# Altium PCB F103RCT6.PcbDoc (part 1 of 2)
Units mil, origin at the board's own origin, x right, y up, seen from the top; angles counter-clockwise.
Board outline 3156.04 x 3159.04 mil, 2 copper layers (Top Layer, Bottom Layer); 126 components, 98 nets, 417 pads, 159 vias.
Unrouted connection lines stored in the file: 77.
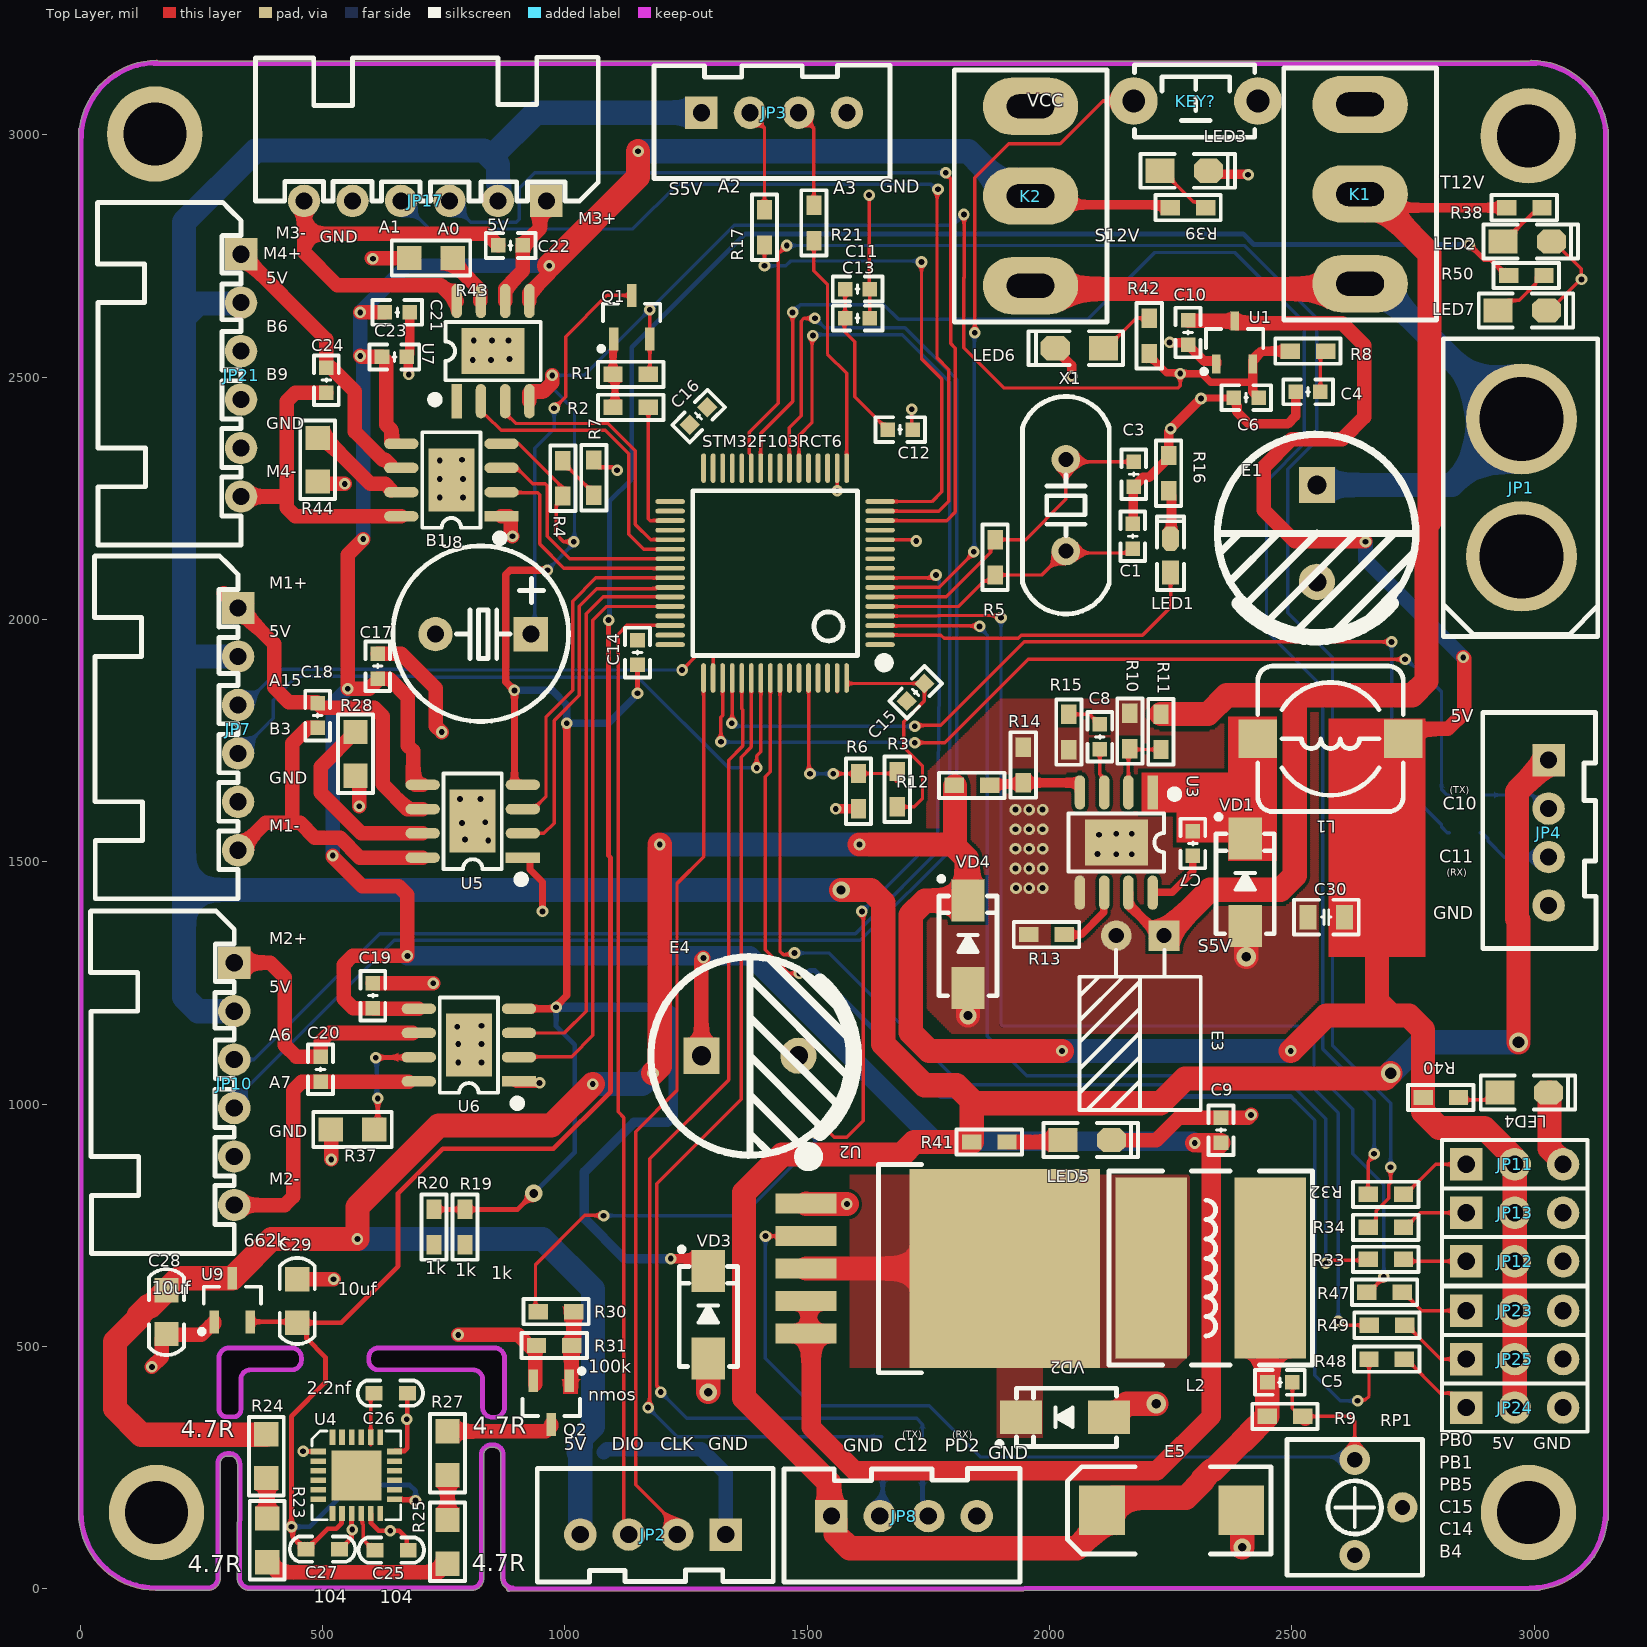
[diagram p0: Top Layer view]
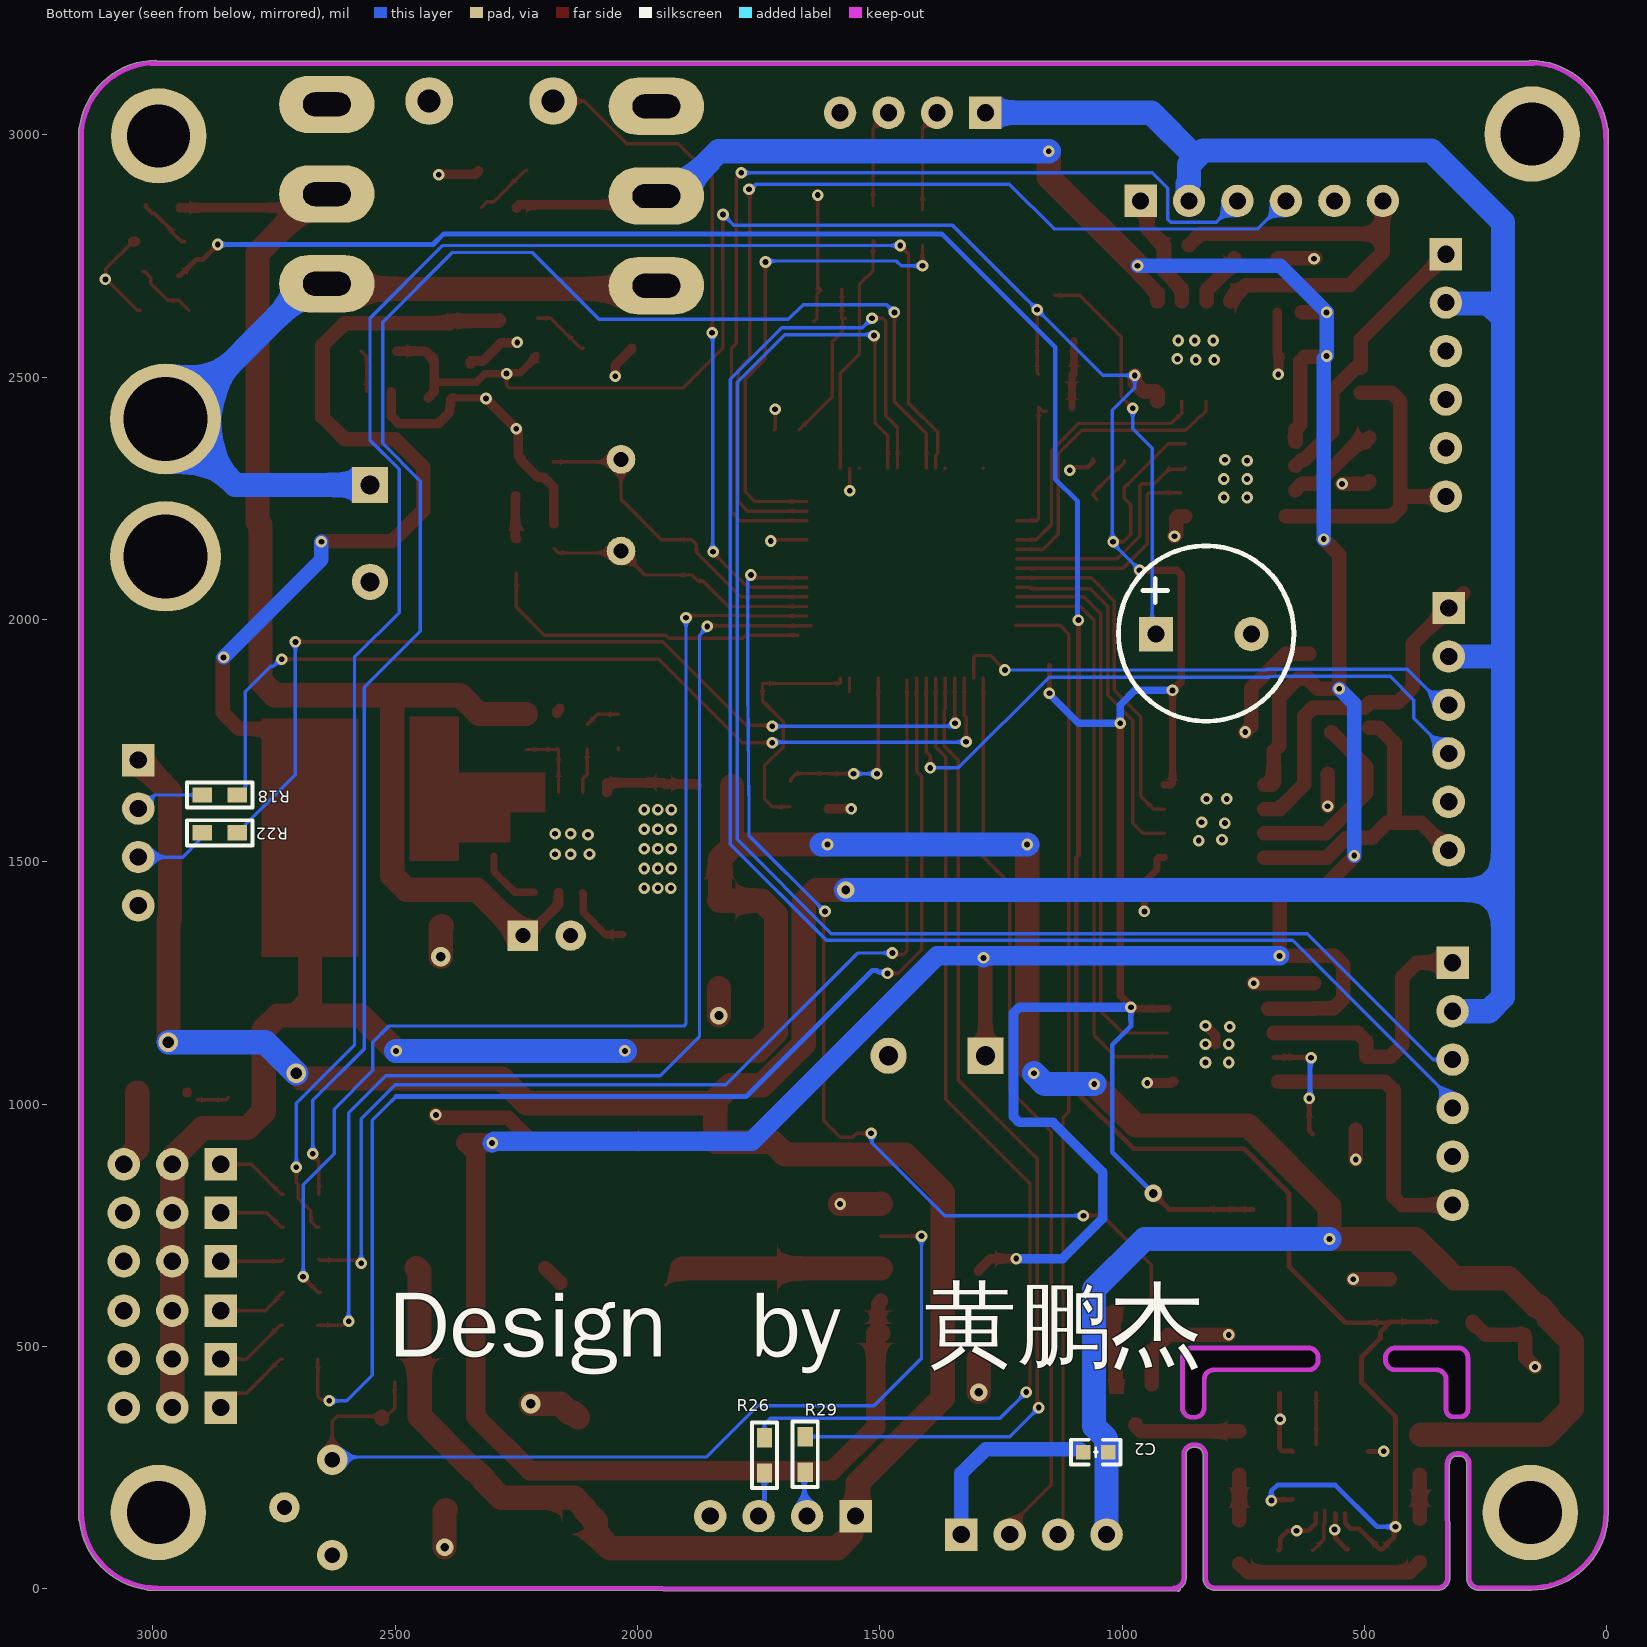
[diagram p1: Bottom Layer view, seen from below]

## Layer stack, top to bottom
Top Solder: solder mask 0.4, Solder Resist, Dk 3.5
Top Layer: signal copper 1.4
Dielectric 1: dielectric 12.6, FR-4, Dk 4.8
Bottom Layer: signal copper 1.4
Bottom Solder: solder mask 0.4, Solder Resist, Dk 3.5

## Board outline
155.95,-3.01 264.01,-3.02 ccw(c264.01,22) 289.02,22 289.01,22.28 289.01,258 289.01,259 cw(c304,259) 304,273.98 309,273.99 cw(c309,259) 323.99,259 324.98,256.01 323.99,22.02 323.99,22 ccw(c349,22) 349,-3.02 808,-3.02 ccw(c808,22) 833.01,22 833.01,22.28 833.01,277 cw(c847.99,277) 847.99,291.98 852.99,291.98 cw(c852.99,277) 867.98,277 867.98,22 ccw(c892.99,22) 880.02,0.61 ccw(c884.99,-0.01) 885,-5.02 3010,-3.02 3013.59,-1.5 ccw(c2991.53,157.48) 3150.87,138.19 3152.62,142 3152.62,2991.02 3153.02,2993.53 ccw(c2992.6,2993.53) 3152.62,3004.86 3152.62,3012 3151.57,3015.07 ccw(c2992.52,2993.53) 2994.05,3154.02 2990.52,3152.62 161.63,3152.62 158.47,3153.75 ccw(c157.91,2993.25) -0.97,3016.04 -3.02,3012 -3.02,158.27 -3.02,158.05 ccw(c157.48,157.48)
cut-out: 302.07,355 cw(c302.07,370.5) 286.57,370.5 286.5,477 cw(c306.5,477) 306.5,497 436.5,497 cw(c436.5,477) 456.5,477 456.5,472 cw(c436.5,472) 436.5,452 351.5,452 ccw(c351.5,432) 331.5,432 331.5,369.42 cw(c317.08,369.42) 317.08,355
cut-out: 615.49,452 cw(c615.49,472) 595.49,472 595.49,477 cw(c615.49,477) 615.49,497 855.49,497 cw(c855.49,477) 875.49,477 875.49,374 cw(c855.49,374) 855.49,354 850.49,354 cw(c850.49,374) 830.49,374 830.49,432 ccw(c810.49,432) 810.49,452

## Design rules (kind name [scope] priority, off if disabled: settings)
Clearance [All] p1: gap=7 ignorepadtopadclearanceinfootprint=TRUE except(0: Arc-Hole Track-Hole SMDPad-Hole THPad-Hole Via-Hole Fill-Hole Poly-Hole Region-Hole Text-Hole)
ComponentClearance [All] p1: gap=0 collisioncheckmode=3 verticalgap=0 showdistances=FALSE
HoleSize [All] p1: absolutevalues=TRUE maxlimit=200 minlimit=1 maxpercent=80.000 minpercent=20.000
MinimumSolderMaskSliver [All] p1: minsoldermaskwidth=0
PolygonConnect PolygonConnect_1 [All] p1: thpad.connectstyle=Relief thpad.reliefconductorwidth=10 thpad.reliefentries=4 thpad.polygonreliefangle="90 Angle" thpad.airgapwidth=10 smdpad.connectstyle=Relief smdpad.reliefconductorwidth=10 smdpad.reliefentries=4 smdpad.polygonreliefangle="90 Angle" smdpad.airgapwidth=10 via.connectstyle=Direct via.reliefconductorwidth=10 via.reliefentries=4 via.polygonreliefangle="90 Angle" via.airgapwidth=10
RoutingVias [All] p1: holewidth=12 width=24 viastyle="Through Hole" minholewidth=10 minwidth=20 maxholewidth=36 maxwidth=72
SilkToSilkClearance [All] p1: silktosilkclearance=0
SilkToSolderMaskClearance [IsPad] p1: minsilkscreentomaskgap=0 clearancetoexposedcopper=TRUE
SolderMaskExpansion [All] p1: expansion=4 istentingtop=FALSE
UnRoutedNet [All] p1: checkbadconnections=TRUE
Width [All] p1: maxlimit=50 minlimit=7 preferedwidth=30 minimp=50.000000 maximp=50.000000 favimp=50.000000
24 further rules are at their usual default settings.

## Classes and differential pairs
net class PWR: 3.3V_IMU 5V 12V GND S5V S12V T12V VCC

## Components (designator, comment, footprint, x,y, rotation, side; value= is the part's Value field where it differs from the comment)
B1 "DC3.3V" "BEEP 5x9x5.5" 831.57,1970 r90 top
C1 "22" "C 0603_L" 2172,2172 r90 top
C2 "104" "C 0603_L" 1054.41,282 r0 bottom
C3 "22" "C 0603_L" 2174,2300 r270 top
C4 "104" "C 0603_L" 2533.59,2470 r180 top
C5 "33nF" "C 0603_L" 2475.59,426 r180 top
C6 "105" "C 0603_L" 2406,2458 r0 top
C7 "104" "C 0603_L" 2296,1538 r270 top
C8 "150pF" "C 0603_L" 2104,1758 r270 top
C9 "1uF" "C 0603_L" 2354,946.41 r270 top
C10 "105" "C 0603_L" 2286,2592.41 r90 top
C11 "104" "C 0603_L" 1604,2682 r0 top
C12 "104" "C 0603_L" 1692,2392 r0 top
C13 "104" "C 0603_L" 1604,2622 r0 top
C14 "104" "C 0603_L" 1150,1932 r90 top
C15 "104" "C 0603_L" 1724,1850 r225 top
C16 "104" "C 0603_L" 1276,2420 r45 top
C17 "104" "C 0603_L" 614,1904 r270 top
C18 "104" "C 0603_L" 490,1802 r90 top
C19 "104" "C 0603_L" 604,1224 r270 top
C20 "104" "C 0603_L" 496,1072 r90 top
C21 "104" "C 0603_L" 654.41,2634 r180 top
C22 "104" "C 0603_L" 888,2772 r0 top
C23 "104" "C 0603_L" 648.41,2542 r180 top
C24 "104" "C 0603_L" 508,2494 r90 top
C25 "104" "C 0603" 642,80 r180 top
C26 "2.2nF" "C 0603" 640,404 r180 top
C27 "104" "C 0603" 500,82 r180 top
C28 "10uF" "C 0805" 178,571 r90 top
C29 "10uF" "C 0805" 448,594 r270 top
C30 "C" "C 0805_L" 2571.4,1386 r0 top value=22uf
E1 "3000uf" "CAP 5.0*10*20" 2552,2178 r270 top
E3 "10UF/16V" "CAP 2.5*6.3*7-H" 2187.21,1348 r180 top
E4 "470uF25V" "CAP 5.0*10*20" 1382,1100 r0 top
E5 "220uF" "CD D(7343)" 2252,162 r0 top
JP1 "HDR-1X2" XT60 2974,2130.54 r90 top
JP2 "HDR-1X4" XH2.54-LI-4P 1182,112 r180 top
JP3 "HDR-1X4" XH2.54-4P 1282,3046 r0 top
JP4 "HDR-1X4" XH2.54-4P 3030,1710 r270 top
JP7 "HDR-1X6" XH2.54-6P_H 326,2024 r270 top
JP8 "HDR-1X4" XH2.54-4P 1550,150 r0 top
JP10 "HDR-1X6" XH2.54-6P_H 318,1292 r270 top
JP11 "HDR-1X3" HDR-1X3 2860,876 r0 top
JP12 "HDR-1X3" HDR-1X3 2860,676 r0 top
JP13 "HDR-1X3" HDR-1X3 2860,776 r0 top
JP17 "HDR-1X6" XH2.54-6P_H 962,2864 r180 top
JP21 "HDR-1X6" XH2.54-6P_H 332,2754 r270 top
JP23 "HDR-1X3" HDR-1X3 2860,574 r0 top
JP24 "HDR-1X3" HDR-1X3 2860,374 r0 top
JP25 "HDR-1X3" HDR-1X3 2860,474 r0 top
K1 "开关" 开关 2646,2878 r90 top
K2 "开关" 开关 1966,2874 r90 top
KEY? "KEY_M" "TSW DIP-3*6*4.3" 2302.05,3070 r0 top
L1 "33uH" CDRH74 2580,1754 r180 top
L2 "15uH" CD104 2332.97,662 r0 top
LED1 "红色" "LED 0603B" 2250,2132 r90 top
LED2 "黄色" "LED 0805R" 2986,2780 r0 top
LED3 "黄色" "LED 0805R" 2278,2926 r0 top
LED4 "黄色" "LED 0805R" 2980,1024 r0 top
LED5 "黄色" "LED 0805R" 2078,926 r0 top
LED6 "黄色" "LED 0805R" 2062,2560 r180 top
LED7 "黄色" "LED 0805R" 2976,2638 r0 top
Q1 "SS8550" SOT23-3N 1138,2624 r0 top
Q2 "SI2302" SOT23-3N 972,384.5 r180 top
R1 "4.7K" "R 0603" 1136,2506 r0 top
R2 "1K" "R 0603" 1136,2438 r180 top
R3 "100K" "R 0603" 1686,1650 r270 top
R4 "100K" "R 0603" 996,2291.5 r270 top
R5 "1M" "R 0603" 1888,2128.5 r270 top
R6 "1K" "R 0603" 1606,1646 r90 top
R7 "1K" "R 0603" 1060,2292.76 r270 top
R8 "10K" "R 0603" 2533.5,2554 r180 top
R9 "10K" "R 0603" 2486,356 r180 top
R10 "100K" "R 0603" 2166,1770 r90 top
R11 "100K" "R 0603" 2230,1768.5 r270 top
R12 "43.2K" "R 0603" 1840,1658 r180 top
R13 "100K" "R 0603" 1994,1350 r0 top
R14 "8.2K" "R 0603" 1946,1700 r270 top
R15 "100K" "R 0603" 2040,1768 r90 top
R16 "2.2K" "R 0603" 2246,2302 r270 top
R17 "470R" "R 0603" 1412,2809.5 r90 top
R18 "470R" "R 0603" 2862,1638 r0 bottom
R19 "1k" "R 0603" 794,746.5 r270 top
R20 "1K" "R 0603" 730,746.5 r270 top
R21 "470R" "R 0603" 1514,2818.5 r90 top
R22 "470R" "R 0603" 2862,1560 r0 bottom
R23 "4.7R" "R 0805" 386,100 r90 top
R24 "4.7R" "R 0805" 384,274 r90 top
R25 "4.7R" "R 0805" 758,97 r90 top
R26 "470R" "R 0603" 1654,277.5 r270 bottom
R27 "4.7R" "R 0805" 758,280 r90 top
R28 "0.15R" "R 0805" 568,1723 r90 top
R29 "470R" "R 0603" 1738,275.5 r270 bottom
R30 "1K" "R 0603" 982,572 r0 top
R31 "100K" "R 0603" 978,502 r0 top
R32 "470R" "R 0603" 2694,814 r0 top
R33 "470R" "R 0603" 2694,680 r0 top
R34 "470R" "R 0603" 2694,746 r0 top
R37 "0.15R" "R 0805" 562,948 r0 top
R38 "10K" "R 0603" 2980,2850 r180 top
R39 "10K" "R 0603" 2286,2850 r180 top
R40 "4.7K" "R 0603" 2807.5,1014 r180 top
R41 "4.7K" "R 0603" 1876,922 r180 top
R42 "4.7K" "R 0603" 2206,2585.5 r270 top
R43 "0.15R" "R 0805" 724,2746 r0 top
R44 "0.15R" "R 0805" 490,2330 r90 top
R47 "470R" "R 0603" 2691.5,612 r0 top
R48 "470R" "R 0603" 2696,474 r0 top
R49 "470R" "R 0603" 2696.5,544 r0 top
R50 "4.7K" "R 0603" 2984,2710 r180 top
RP1 "10K" 3362P 2630,168 r270 top
STM32F103RCT6 "STM32F103rct6" "LQFP64 10x10_L" 1434,2096 r90 top
U1 "662K" SOT23-3L 2382,2572 r0 top
U2 "XL4005" TO263-5A 1498,660.93 r270 top
U3 "MP1584EN" "SOP8_N - duplicate" 2138,1540 r270 top
U4 "MPU6050" QFN24 570,234 r0 top
U5 "TB67H450" "SOP8_N - duplicate" 810,1584 r180 top
U6 "TB67H450" "SOP8_N - duplicate" 802,1122 r180 top
U7 "TB67H450" "SOP8_N - duplicate" 852,2554 r90 top
U8 "TB67H450" "SOP8_N - duplicate" 766,2288 r180 top
U9 "662K" SOT23-3N 314,596 r0 top
VD1 "SS34" SMA 2404,1458 r90 top
VD2 "SS54" SMA 2032,354 r180 top
VD3 "SMBJ3.3" SMA 1296,565.45 r90 top
VD4 "SMBJ5.0" SMA 1832,1330 r90 top
X1 "8M" "XTAL-49S DIP" 2034,2236 r270 top

## Footprints (in the part's own frame and the unit in brackets; to place one, negate y for a bottom-side part, rotate by r counter-clockwise, add the part's x,y. Pads: shape width x height; smd on the part's side, far side on the other; paste and mask are expansions set on the pad)
3362P [mm]
  round 1.6 hole 0.8: 1(-2.5,0) 2(0,2.5) 3(2.5,0)
  silkscreen extent -3.56,-3.56 3.56,3.56, body extent -3.3,-3.3 3.3,3.3, height 4.74
"BEEP 5x9x5.5" [mm] "5*9*5.5mm(脚距,直径,高度)"
  rect 1.8x1.8 hole 0.9: 1(0,-2.5)
  round 1.8 hole 0.9: 2(0,2.5)
  silkscreen extent -4.57,-4.47 4.62,4.73, body extent -4.5,-4.5 4.5,4.5, height 5.45
"C 0603" [mil] "无极性贴片电容"
  rect 35x30 smd: 1(-35,0) 2(34,0)
  silkscreen extent -67,-26 67,26, body extent -31,-16 31,16, height 32
"C 0603_L" [mil] "无极性贴片电容"
  rect 30x30 smd: 1(-25.59,0) 2(25.59,0)
  silkscreen extent -51,-26 51,26, body extent -31,-16 31,16, height 32
"C 0805" [mil] "无极性贴片电容"
  rect 50x50 smd: 1(-45,0) 2(45,0)
  silkscreen extent -89,-36 89,36, body extent -39,-24 39,24, height 20
"C 0805_L" [mil] "无极性贴片电容"
  rect 35x50 smd: 1(-37.4,0) 2(37.4,0)
  silkscreen extent -67,-36 67,36, body extent -39,-24 39,24, height 20
"CAP 2.5*6.3*7-H" [mm] "脚距2.5mm直径6.3mm高度7mm"
  rect 1.6x1.6 hole 0.8: 1(-1.25,0)
  round 1.6 hole 0.8: 2(1.25,0)
  silkscreen extent -3.18,0.76 3.17,9.14, body extent -3.15,-0.3 3.16,8.91, height 6.32
"CAP 5.0*10*20" [mm] "脚距5mm直径10mm高度20mm"
  rect 1.9x1.9 hole 1: 1(-2.54,0)
  round 1.9 hole 1: 2(2.54,0)
  silkscreen extent -5.19,-5.21 5.5,5.19, body extent -5,-5 5.01,5, height 20.03
CD104 [mm] "10*9*4mm（长宽高）"
  rect 3.75x9.5 smd: 1(-3.125,0) 2(3.125,0)
  silkscreen extent -5.33,-5.08 5.33,5.08, body extent -4.95,-4.5 4.95,4.5, height 4.7
"CD D(7343)" [mm] "长7.3mm，宽4.3mm，厚2.8mm"
  rect 2.4x2.6 smd: 1(-3.65,0) 2(3.65,0)
  silkscreen extent -5.46,-2.29 5.21,2.29, body extent -3.65,-2.15 3.65,2.15, height 2.8
CDRH74 [mm] "7.3*7.3*4.5mm（长宽高）"
  rect 2x2 smd: 1(-3.81,0) 2(3.81,0)
  silkscreen extent -3.81,-3.81 3.81,3.81, body extent -3.65,-3.65 3.65,3.65, height 4.5
HDR-1X3 [mm] "排针，3脚"
  rect 1.7x1.7 hole 0.9: 1(0,0)
  round 1.7 hole 0.9: 2(2.54,0) 3(5.08,0)
  silkscreen extent -1.27,-1.27 6.35,1.27, body extent -1.27,-1.27 6.35,1.27, height 8.5
"LED 0603B" [mil] "蓝色0603LED"
  rect 50x35 smd: 1(-35,0.26)
  oct 50x35 smd: 2(35,0.26)
  silkscreen extent -71,-28 81,28, body extent -31,-16 32,16, height 24
"LED 0805R" [mil] "红色0805LED"
  rect 60x50 smd: 1(-50,0)
  oct 60x50 smd: 2(50,0)
  silkscreen extent -90,-35 105,35, body extent -39,-25 39,25, height 32
"LQFP64 10x10_L" [mm] "64脚，体宽10x10mm，脚距0.5mm"
  oval 0.25x1.55 smd: 1(-3.75,-5.5) 2(-3.25,-5.5) 3(-2.75,-5.5) 4(-2.25,-5.5) 5(-1.75,-5.5) 6(-1.25,-5.5) 7(-0.75,-5.5) 8(-0.25,-5.5) 9(0.25,-5.5) 10(0.75,-5.5) 11(1.25,-5.5) 12(1.75,-5.5) 13(2.25,-5.5) 14(2.75,-5.5) 15(3.25,-5.5) 16(3.75,-5.5) 33(3.75,5.5) 34(3.25,5.5) 35(2.75,5.5) 36(2.25,5.5) 37(1.75,5.5) 38(1.25,5.5) 39(0.75,5.5) 40(0.25,5.5) 41(-0.25,5.5) 42(-0.75,5.5) 43(-1.25,5.5) 44(-1.75,5.5) 45(-2.25,5.5) 46(-2.75,5.5) 47(-3.25,5.5) 48(-3.75,5.5)
  oval 1.55x0.25 smd: 17(5.5,-3.75) 18(5.5,-3.25) 19(5.5,-2.75) 20(5.5,-2.25) 21(5.5,-1.75) 22(5.5,-1.25) 23(5.5,-0.75) 24(5.5,-0.25) 25(5.5,0.25) 26(5.5,0.75) 27(5.5,1.25) 28(5.5,1.75) 29(5.5,2.25) 30(5.5,2.75) 31(5.5,3.25) 32(5.5,3.75) 49(-5.499,3.75) 50(-5.499,3.25) 51(-5.499,2.75) 52(-5.499,2.25) 53(-5.499,1.75) 54(-5.499,1.25) 55(-5.499,0.75) 56(-5.499,0.25) 57(-5.499,-0.25) 58(-5.499,-0.75) 59(-5.499,-1.25) 60(-5.499,-1.75) 61(-5.499,-2.25) 62(-5.499,-2.75) 63(-5.499,-3.25) 64(-5.499,-3.75)
  silkscreen extent -4.95,-5.96 4.32,4.32, body extent -6,-6 6,6, height 1.45
QFN24 [mm]
  rect 0.8x0.3 smd: 1(-2,1.25) 2(-2,0.75) 3(-2,0.25) 4(-2,-0.25) 5(-2,-0.75) 6(-2,-1.25) 13(2,-1.25) 14(2,-0.75) 15(2,-0.25) 16(2,0.25) 17(2,0.75) 18(2,1.25)
  rect 0.3x0.8 smd: 7(-1.25,-2) 8(-0.75,-2) 9(-0.25,-2) 10(0.25,-2) 11(0.75,-2) 12(1.25,-2) 19(1.25,2) 20(0.75,2) 21(0.25,2) 22(-0.25,2) 23(-0.75,2) 24(-1.25,2)
  rect 2.6x2.6 smd: 25(0.005,0)
  silkscreen extent -2.32,-2.32 2.32,2.32, body extent -2,-2 2.01,2, height 0.9
"R 0603" [mil] "1/10W贴片电阻"
  rect 40x31.5 smd: 1(-36.5,0) 2(36.5,0)
  silkscreen extent -68,-26 68,26, body extent -31,-16 32,16, height 16
"R 0805" [mil] "1/8W贴片电阻"
  rect 50x50 smd: 1(-45,0) 2(45,0)
  silkscreen extent -81,-36 81,36, body extent -39,-25 39,25, height 20
SMA [mm] "4.5x2.6*2.2mm（长宽高，不包括引脚）"
  rect 2.2x1.75 smd: 1(-2.3,0) 2(2.3,0)
  silkscreen extent -2.7,-1.52 3.56,1.52, body extent -2.53,-1.3 2.58,1.3, height 2.15
"SOP8_N - duplicate" [mm]
  rect 1.8x0.55 smd: 1(-2.625,1.905)
  oval 1.8x0.55 smd: 2(-2.625,0.635) 3(-2.625,-0.635) 4(-2.625,-1.905) 5(2.625,-1.905) 6(2.625,-0.635) 7(2.625,0.635) 8(2.625,1.905)
  rect 2.413x3.302 smd: 9(0,0)
  silkscreen extent -2.69,-2.5 1.52,3.2, body extent -3,-2.5 3,2.5, height 1.9
SOT23-3L [mm] "3x1.3x1mm(长宽高)"
  rect 0.45x1 smd: 1(-0.95,-1.143) 2(0.95,-1.143) 3(0,1.125)
  silkscreen extent -1.72,-1.65 1.5,0.7, body extent -1.5,-1.2 1.5,1.2, height 1.05
SOT23-3N [mm] "3x1.3x1mm(长宽高)"
  rect 0.5x1.2 smd: 1(-0.95,-1.143) 2(0.95,-1.143) 3(0,1.143)
  silkscreen extent -1.72,-1.78 1.5,0.7, body extent -1.5,-1.2 1.5,1.2, height 1.05
TO263-5A [mm] "263，5脚晶体管"
  rect 1.05x3.2 smd: 1(-3.4,0) 2(-1.7,0) 3(0,0) 4(1.7,0) 5(3.4,0)
  rect 10.45x10 smd: 3(0,10.414)
  silkscreen extent -6.24,-0.25 5.46,6.04, body extent -5,-0.01 5,13.32, height 4.5
"TSW DIP-3*6*4.3" [mm] "3*6*4.3mm"
  round 2.5 hole 1.2: 1(3.25,0) 2(-3.25,0)
  silkscreen extent -3.21,-1.9 3.09,1.9, body extent -3.91,-1.75 3.91,1.75, height 4.31
XH2.54-4P [mm] "接插件，4P"
  rect 1.7x1.7 hole 0.9: 1(0,0)
  round 1.7 hole 0.9: 2(2.54,0) 3(5.08,0) 4(7.62,0)
  silkscreen extent -2.49,-3.45 9.88,2.49, body extent -2.5,-3.3 10.12,2.4, height 7.03
XH2.54-6P_H [mm] "接插件，6P"
  rect 1.7x1.7 hole 0.9: 1(0,0)
  round 1.7 hole 0.9: 2(2.54,0) 3(5.08,0) 4(7.62,0) 5(10.16,0) 6(12.7,0)
  silkscreen extent -2.72,-7.53 15.24,0, body extent -2.5,-7.35 15.2,0.35, height 5.75
XH2.54-LI-4P [mm] "接插件，4P"
  rect 1.7x1.7 hole 0.9: 1(-3.81,0)
  round 1.7 hole 0.9: 2(-1.27,0) 3(1.27,0) 4(3.81,0)
  silkscreen extent -6.3,-3.45 6.07,2.49, body extent -6.31,-3.3 6.31,2.4, height 7.03
XT60 [mm]
  round 5.8 hole 4.4: 1(7.2,0) 2(0,0)
  silkscreen extent -4.2,-4 11.4,4.1
"XTAL-49S DIP" [mm]
  round 1.5 hole 0.8: 1(-2.4,0) 2(2.4,0)
  silkscreen extent -5.7,-2.28 5.7,2.28, body extent -5.68,-2.35 5.68,2.3, height 3.5
开关 [mm]
  oval 3x5 hole 1.25 slot 2.5 at 90 deg: 1(-4.699,0.127) 2(0.001,0.127) 3(4.701,0.127)
  silkscreen extent -6.6,-3.87 6.6,4.13

## Part data
B1: library part BEEP, "蜂鸣器", BOM名称=蜂鸣器, 学习资源=www.ooocke.com, 版权归属=源创客
C1 C2 C3 C4 C6 C10 C11 C12 C13 C14 C15 C16: library part C
C5 C7 C8 C9 C17 C18 C19 C20 C21 C22 C23 C24 C25 C26 C27 C28 C29: library part C, "无极性贴片电容", BOM名称=无极性贴片电容, 学习资源=www.ooocke.com, 版权归属=源创客
C30: "无极性贴片电容", 版权归属=电协硬件组
E1 E3 E4: library part C-CAP, "直插电解电容", BOM名称=直插电解电容, 学习资源=www.ooocke.com, 版权归属=源创客
E5: library part C-CD, "贴片钽电容", BOM名称=贴片钽电容, 学习资源=www.ooocke.com, 版权归属=源创客
JP1: library part "Header 2", "2P接插件", BOM名称=2P接插件, 学习资源=www.ooocke.com, 版权归属=源创客
JP2 JP3 JP4 JP8: library part "Header 4", "4P接插件", BOM名称=4P接插件, 学习资源=www.ooocke.com, 版权归属=源创客
JP7 JP10 JP17 JP21: library part "Header 6", "6P接插件", BOM名称=6P接插件, 学习资源=www.ooocke.com, 版权归属=源创客
JP11 JP12 JP13 JP23 JP24 JP25: library part "Header 3", "3P接插件", BOM名称=3P接插件, 学习资源=www.ooocke.com, 版权归属=源创客
L1: library part L-CDRH, "功率屏蔽电感", BOM名称=功率屏蔽电感, 学习资源=www.ooocke.com, 版权归属=源创客
L2: library part L-CD, "贴片功率电感", BOM名称=功率电感, 学习资源=www.ooocke.com, 版权归属=源创客
LED1 LED2 LED3 LED4 LED5 LED6 LED7: library part LED-SMD, "贴片LED", BOM名称=贴片LED, 学习资源=www.ooocke.com, 版权归属=源创客
Q1: library part 8550-SMD, "高频放大-PNP型", BOM名称=高频放大-PNP型, 学习资源=www.ooocke.com, 属性="40V 1.5A 1W 100MHZ", 版权归属=源创客
Q2: "N沟道场效应管", BOM名称=N沟道场效应管, 学习资源=www.ooocke.com, 版权归属=源创客
R1 R2 R3 R4 R5 R6 R7 R8: library part R
R9 R10 R11 R12 R13 R14 R15 R16 R17 R18 R19 R20 R21 R22 R23 R24 R25 R26 R27 R28 R29 R30 R31 R32 R33 R34 R37 R38 R39 R40 R41 R42 R43 R44 R47 R48 R49 R50: library part R, "贴片电阻", BOM名称=贴片电阻, 学习资源=www.ooocke.com, 版权归属=源创客
RP1: library part RP-ID, "插件单联电位器", BOM名称=插件电位器, 学习资源=www.ooocke.com, 版权归属=源创客
STM32F103RCT6: "FLash：256K   RAM:48K   IO:64"
U2: library part xl4005
U3: "电源芯片"
U4: "9轴运动处理传感器"
U5 U6 U7 U8: "电机驱动芯片"
U9: "LDO"
VD1 VD2 VD3 VD4: library part SS14, "肖特基二极管", BOM名称=肖特基二极管, 学习资源=www.ooocke.com, 属性=40V/1A, 版权归属=源创客
X1: library part XTAL-4, "4脚晶振", BOM名称=4脚晶振, 学习资源=www.ooocke.com, 版权归属=源创客

## Free pads (board coordinates)
  round 196.85 hole 129.92: ""(154,3002) ""(157.48,157.48) ""(2988,2998) ""(2988.52,157.48)

## Via types
v1: diameter 24, hole 12, Top Layer to Bottom Layer, tented both sides, 150 vias
v2: diameter 36, hole 18, Top Layer to Bottom Layer, tented both sides, 5 vias
v3: diameter 40, hole 24, Top Layer to Bottom Layer, tented both sides, 2 vias
v4: diameter 40, hole 20, Top Layer to Bottom Layer, tented both sides, 2 vias

## Nets (pads, with @x,y where several pads share a name; then routed paths per layer and width w, separated by ;. In a path a pad name is that pad's centre, name@x,y a point inside that pad or via, vN(x,y) a via of type N, cw(c..) or ccw(c..) an arc to the next point about the centre after c; other vN are vias at no path point)
3.3V_IMU: C27.2 C29.2 R50.2 U4.8 U4.13 U9.2 | length 5538.6
  Top Layer w10: U9.2@351.4,551 C29.2@448,551 ; U4.8@540.47,155.26 539.57,154.35 539.57,135.42 528.15,124 510.5,124 468.5,82 C27.2@466,82 463.5,82 438.68,106.82 438.68,125.32 v1(436,128) 436,356 506,426 506,478 467.11,516.89 467.11,529.89 C29.2@448,549 539,549 656,666 656,816 748,908 976.33,908 1094.5,1026.17 1094.5,1508.57 1090.33,1512.74 v1(1090.33,1998.93) ; U4.13@648.74,184.79 649.65,183.88 690.12,183.88 v1(692,182) ; v1(2866,2774) 2897,2743 2910.25,2743 2943.25,2710 R50.2@2947.5,2710
  Bottom Layer w10: v1(436,128) 474,128 560,214 680,214 692,202 v1(692,182) ; v1(1090.33,1998.93) 1092,2000.6 1092,2244 1138,2290 1138,2561.72 1372.28,2796 2399.92,2796 2421.92,2774 v1(2866,2774)
5V: C2.1 C10.2 C28.2 C30.2 JP2.4 JP11.2 JP12.2 JP13.2 JP23.2 JP24.2 JP25.2 L1.1 R12.2 R24.2 R40.2 U1.3 U9.3 VD4.2 | length 8574.9
  Top Layer w30: C10.2@2286,2618 2287.71,2616.29 U1.3@2382,2616.29 2386.35,2611.94 2604.48,2611.94 2650,2566.43 2650,2418 2604,2372 2499.57,2372 2442,2314.43 2442,2226 2506,2162 v1@2652,2162 ; L1.1@2730,1754 2750.37,1774.37 2822.37,1774.37 2856,1808 2856,1920 v1(2854,1922)
  Top Layer w50: R24.2@383,318 126,318 72,372 72,510 121,559 121,564.25 139.75,583 145,583 C28.2@178,616 203,641 U9.3@314,641 395,722 v1(572,722) 572,788 740,956 972,956 v1(1057.5,1041.5) ; v1(1182,1064) 1196,1078 v1(1196,1536) ; v1(1608,1536) 1800.71,1536 ; R12.2@1804.95,1656.55 1804.95,1540.24 1800.71,1536 ; VD4.2@1830,1420 1830,1506.71 1800.71,1536 ; VD4.2@1832,1420.55 1823.1,1420.55 1822.55,1420 1743.29,1420 1714,1390.71 1714,1148 1752,1110 v1(2026,1110) ; v1(2498,1110) 2571,1183 2705.29,1183 ; 2676,1404.96 2676,1212.29 2705.29,1183 ; JP24.2@2960,374 JP25.2@2960,474 JP23.2@2960,574 JP12.2@2960,676 JP13.2@2960,776 JP11.2@2960,876 2956.76,879.24 2956.76,891.42 2897.18,951 2804.54,951 2771,984.54 2771,1153.71 2741.71,1183 2705.29,1183
  Bottom Layer w30: v1(2652.22,2160.82) 2652.22,2123.78 v1(2854,1922)
  Bottom Layer w50: v1(572,722) 954,722 1058,618 1058,335.25 1033,310.25 1033,294.97 1028.82,290.79 C2.1@1028.82,282 ; JP2.4@1032,112 C2.1@1032,282 ; v1(1057.5,1041.5) 1159.5,1041.5 v1(1182,1064) ; v1(1196,1536) v1(1608,1536) 1620.47,1536 ; v1(2026,1110) v1(2498,1110)
12V: E1.1 JP1.1 K1.1 K2.1 | length 1634.4
  Top Layer w50: K2.1@1961,2689 1968,2682 2630,2682 K1.1@2641,2693 ; JP1.1@2954,2414 JP1.1@2974,2414 JP1.1@2966.47,2414
  Bottom Layer w50: E1.1@2552,2278 2830.47,2278 JP1.1@2966.47,2414 ; K1.1@2641,2693 K1.1@2695,2693 ; K1.1@2675,2693 JP1.1@2954,2414
BOOT0: R3.1 R6.2 STM32F103RCT6.60 | length 385.8
  Top Layer w7: STM32F103RCT6.60@1502.9,1879.49 1503.44,1878.95 1503.44,1684.56 v1(1506,1682) ; v1(1554,1682) 1605.5,1682 R6.2@1606,1682.5 1671.75,1682.5 1684,1670.25 R3.1@1684,1666.5
  Bottom Layer w7: v1(1506,1682) v1(1554,1682)
FB: R12.1 R14.2 U3.4 | length 208.5
  Top Layer w20: R12.1@1876.5,1658 1879.25,1660.75 1943.25,1660.75 R14.2@1946,1663.5 2062.24,1663.5 2063,1662.74 U3.4@2063,1643.35
GND: B1.2 C1.2 C2.2 C3.2 C4.2 C6.1 C9.1 C10.1 C11.2 C12.2 C13.2 C14.2 C15.2 C16.2 C17.1 C19.1 C21.1 C23.1 C25.1 C26.1 C27.1 C28.1 C29.1 C30.1 E1.2 E3.2 E4.2 E5.2 JP1.2 JP2.1 JP3.4 JP4.4 JP7.5 JP8.4 JP10.5 JP11.3 JP12.3 JP13.3 JP17.5 JP21.5 JP23.3 JP24.3 JP25.3 KEY?.1 LED2.2 LED3.2 LED4.2 LED5.2 LED6.2 LED7.2 Q2.2 R6.1 R7.1 R10.2 R13.1 R14.1 R15.1 R16.1 R28.1 R31.1 R37.1 R43.1 R44.1 RP1.2 RP1.3 STM32F103RCT6.12 STM32F103RCT6.18 STM32F103RCT6.31 STM32F103RCT6.47 STM32F103RCT6.63 U1.1 U2.1 U3.5 U3.9 U4.1 U4.9 U4.11 U4.18 U5.1 U5.9 U6.1 U6.9 U7.1 U7.9 U8.1 U8.9 U9.1 VD1.1 VD2.1 VD3.1 VD4.1 | length 4975.2
  Top Layer w7: STM32F103RCT6.63@1561.96,1879.49 1562.5,1878.95 STM32F103RCT6.63@1562.5,1851.23 ; v1(1562,2266) STM32F103RCT6.18@1561.96,2312.53 ; C11.2@1624,2682.41 1621.59,2680 1629.59,2672 C13.2@1629.59,2622 C13.2@1636,2615.58 ; v1(1628,2876) 1628,2683.59 C11.2@1629.59,2682 ; STM32F103RCT6.12@1650.52,2164.91 1724.91,2164.91 v1@1726,2166 ; v1(1716,2434) 1716,2393.58 C12.2@1717.59,2392 ; R15.1@2040,1731.5 R15.1@2040,1735.75 ; LED7.2@3026,2638 3032.5,2638 v1@3096.5,2702 ; LED2.2@3041,2780 3097.23,2723.77 v1@3097.23,2702.77
  Top Layer w10: v1(460,284) 460.39,283.61 490.87,283.61 U4.1@491.26,283.21 ; C27.1@535,82 537.5,82 559.76,104.26 559.76,120.34 v1(561.6,122.18) ; v1@559.96,125.96 559.96,155.06 U4.9@560.16,155.26 ; U4.11@599.53,155.26 600.43,154.35 600.43,135.42 615.85,120 v1(640,120) 658,120 673.86,104.14 673.86,83.14 C25.1@677,80 ; U4.18@648.74,283.21 649.65,284.12 669.14,284.12 675,289.98 C26.1@675,404 ; R7.1@1060,2329.26 1060,2325.01 1070.75,2314.26 1097.95,2314.26 1104.21,2308 v1(1108,2308)
  Top Layer w15: R37.1@517,948 R37.1@518,947 ; U5.1@913.35,1509 924.65,1509 927.98,1505.67 927.98,1484.46 954,1458.44 v1(954,1398) ; v1(2312.73,2456.19) 2313.63,2457.09 2379.5,2457.09 C6.1@2380.41,2458
  Top Layer w20: v1(678,2506) 677.23,2506.77 677.23,2538.77 C23.1@674,2542 680,2548 C21.1@680,2634 ; U6.9@807.35,1123 807.35,1141.35 v1(828,1162) ; U6.1@893.35,1047 893.85,1047.5 896,1047.5 899.5,1044 v1(948,1044) ; v1(1559,1609.5) R6.1@1606,1609.5 ; LED6.2@2012,2560 2012,2558.36 2046,2524.36 v1(2046,2502) ; R10.2@2160.25,1816.5 2166,1810.75 R10.2@2166,1806.5 ; C1.2@2172,2197.59 2173,2198.58 2173,2273.42 C3.2@2174,2274.41 2193.18,2293.59 2205.35,2293.59 2240.25,2328.5 2240.25,2332.75 R16.1@2246,2338.5 ; R16.1@2246,2346.82 2246,2388.92 2250,2392.92 v1@2250,2393.46 ; v1(2248,2572) 2248.77,2571.23 2281.58,2571.23 2319.28,2533.53 2343.46,2533.53 2344.6,2532.39 U1.1@2344.6,2527 ; v1(2250,2394) v1@2250,2393.46 ; v1(2312.73,2456.19) v1@2250,2393.46 ; LED3.2@2328,2926 2335.23,2918.77 2409.23,2918.77 v1(2410,2918) ; C6.1@2380.41,2458 2385.41,2453 2385.41,2442.99 2387.11,2441.28 2387.11,2428.89 2412,2404 2492,2404 2508,2420 C4.2@2508,2470 ; LED2.2@3036,2780 LED2.2@3041,2780 ; v1@3097.23,2702.77 v1(3098,2702)
  Top Layer w30: v1(148,458) 168,478 168,516 C28.1@176,524 ; C28.1@170.19,524 C28.1@176,524 ; C28.1@178,526 C28.1@176,524 ; U9.1@276.6,551 276.6,547.54 271.44,542.38 267.98,542.38 249.6,524 C28.1@176,524 ; C29.1@448,639 v1(523,639) ; R44.1@490,2285 494.88,2280.12 v1(546.12,2280.12) ; v1(518,886) R37.1@518,947 ; v1(576,1614.98) R28.1@576,1682 ; v1@602,2746 R43.1@679,2746 ; C19.1@604,1249.59 v1(728.54,1249.59) ; C17.1@614,1929.59 662.83,1929.59 734,1858.43 734,1780 v1(746,1768) ; v1(780,524) 904.08,524 936.5,491.58 936.5,490.75 937.25,490 R31.1@941.5,490 ; U8.1@869.35,2213 883.9,2213 888.07,2208.83 888.07,2175.93 v1(892,2172) ; Q2.2@938.83,422 R31.1@938.83,489.25 ; LED5.2@2128,926 2220.6,926 2266.6,972 C9.1@2354,972 2410,972 v1(2416,978)
  Top Layer w50: v2(1296,405.95) VD3.1@1296,474.9 ; U2.1@1498,794.79 1498.79,794 v1(1582,794) ; v2(1832,1182.91) VD4.1@1832,1239.45 ; VD2.1@2122.55,354 2132,363.45 2140.86,363.45 2159.41,382 v4(2220.43,382) ; E5.2@2395.7,162 2398,159.7 v2(2398,86) ; VD1.1@2404,1367.45 2406,1365.45 v4(2406,1304) ; LED4.2@3032,1024 3032,908.58 3060,880.58 JP11.3@3060,876
  Bottom Layer w7: v1(1628,2876) v1@1628,2880.6
  Bottom Layer w30: C2.2@1080,282 1086.5,288.5 1281.5,288.5 1332,238 JP2.1@1332,112
  other v1: 674,350 780,1086 828,1086 780,1124 828,1124 778,1160 1931.11,1446 1958,1446 1986,1446 1930,1486.5 1958,1486.5 1986,1486.5 2099.15,1516.13 2138,1516 2170,1516 1930,1527 1958,1527 1986,1527 842,1544 794,1546 2102,1556 2138,1558 2170,1558 1930,1567.5 1958,1567.5 1986,1567.5 788,1580 836,1582 1930,1608 1958,1608 1986,1608 784,1630 826,1630 1725.15,2162.13 742,2252 790,2252 742,2290 790,2290 742,2328 788,2330 810,2536 848,2536 886,2538 812,2576 850,2576 884,2576 604.03,2744.77
M1+: C18.2 JP7.1 U5.6 | length 727.4
  Top Layer w30: JP7.1@295.79,2054.21 400,1950 400,1860 430.41,1829.59 C18.2@488,1829.59 ; C18.2@490,1827.59 499.59,1818 606.43,1818 624,1800.43 624,1660 675,1609 U5.6@706.65,1609
M1-: C18.1 JP7.6 U5.8 | length 663.2
  Top Layer w30: JP7.6@326,1524 382.46,1580.46 438,1580.46 ; C18.1@490,1776.41 469.47,1776.41 438,1744.94 438,1580.46 ; U5.8@706.65,1509 577.33,1509 536.33,1550 484.36,1550 453.9,1580.46 438,1580.46
M2+: C20.2 JP10.1 U6.6 | length 570.3
  Top Layer w30: JP10.1@318,1292 392,1292 422,1262 422,1122 446.41,1097.59 C20.2@496,1097.59 496,1129.43 513.58,1147 U6.6@686.65,1147
M2-: C20.1 JP10.6 U6.8 | length 594
  Top Layer w30: JP10.6@318,792 422.43,792 440,809.57 440,1028.83 457.57,1046.41 U6.8@678.22,1046.41
M3+: C22.2 JP17.1 U7.6 | length 300.5
  Top Layer w7: C22.2@902.09,2760.5 C22.2@913.59,2772 ; JP17.1@932.04,2834.04 JP17.1@962,2864
  Top Layer w30: U7.6@877,2657.35 877,2683 913.59,2719.59 C22.2@913.59,2772 948.51,2806.92 948.51,2850.51 JP17.1@962,2864
M3-: C22.1 JP17.6 U7.8 | length 896.8
  Top Layer w7: U7.8@777,2657.35 U7.8@777,2681.09
  Top Layer w30: JP17.6@462,2864 462,2796 ; U7.8@777,2657.35 744.35,2690 530,2690 462,2758 462,2796 ; C22.1@862.41,2772 838.4,2796 462,2796
M4+: C24.2 JP21.1 U8.6 | length 578.3
  Top Layer w30: JP21.1@328.88,2757.12 508,2578 C24.2@508,2519.59 517.93,2519.59 566.56,2470.96 566.56,2388.07 624.45,2330.17 629.22,2330.17 U8.6@642.22,2317.17
M4-: C24.1 JP21.6 U8.8 | length 656.2
  Top Layer w30: JP21.6@323.28,2254 426,2254 ; C24.1@508,2468.41 443.57,2468.41 426,2450.83 426,2254 ; U8.8@662.65,2213 443.57,2213 426,2230.57 426,2254
NetB1_1: B1.1 Q1.3 | length 815
  Top Layer w7: v1(978,2436) 1002,2460 1002,2584 1087,2669 Q1.3@1138,2669
  Bottom Layer w7: B1.1@930,1970 938,1978 938,2354 978,2394 v1(978,2436)
NetC4_1: C4.1 R8.1 | length 88.5
  Top Layer w7: C4.1@2559.18,2470 2559.18,2543.18 R8.1@2570,2554
NetC5_1: C5.1 R9.1 RP1.1 U2.2 | length 1915.5
  Top Layer w7: v1(1414,727.86) U2.2@1498,727.86 ; C5.1@2501.18,426 2501.18,373.07 2518.25,356 R9.1@2522.5,356 2540.43,356 2620,356 2630,346 RP1.1@2630,266.43
  Top Layer w30: R9.1@2527.5,351 R9.1@2527.5,355.25
  Bottom Layer w7: v1(1414,727.86) 1414,476 1512,378 1752,378 1858,272 2624.43,272 RP1.1@2630,266.43
NetC7_1: C7.1 L1.2 U3.1 VD1.2
NetC7_2: C7.2 U3.8 | length 133.4
  Top Layer w15: U3.8@2213,1436.65 2213.89,1437.54 2253.54,1437.54 2296,1480 C7.2@2296,1512.41
NetC8_1: C8.1 R15.2 | length 72.7
  Top Layer w7: R15.2@2040,1804.5 2083.09,1804.5 C8.1@2104,1783.59
NetC8_2: C8.2 U3.3 | length 92.8
  Top Layer w7: C8.2@2104,1732.41 2104,1680.92 2113,1671.92 U3.3@2113,1643.35
NetC25_2: C25.2 U4.10 | length 94.5
  Top Layer w7: U4.10@582.25,162.4 582.25,134.16 584.1,132.31 584.1,101.4 605.5,80 C25.2@608,80
NetC26_2: C26.2 U4.20 | length 108.9
  Top Layer w7: 599.53,296.74 C26.2@599.53,405.66
NetJP3_2: JP3.2 R17.2 | length 212.4
  Top Layer w7: JP3.2@1382,3046 1382,3043.82 1412,3013.82 R17.2@1412,2846
NetJP3_3: JP3.3 R21.2 | length 204.3
  Top Layer w7: JP3.3@1482,3046 1514,3014 R21.2@1514,2855
NetJP4_2: JP4.2 R18.2 | length 143.1
  Bottom Layer w7: R18.2@2898.5,1638 2995.82,1638 3023.82,1610 JP4.2@3030,1610
NetJP4_3: JP4.3 R22.2 | length 164.7
  Bottom Layer w7: R22.2@2888.5,1560 2892.75,1560 2905,1547.75 2905,1543.5 2938.5,1510 JP4.3@3030,1510
NetJP8_2: JP8.2 R26.2 | length 90.5
  Bottom Layer w7: R26.2@1654,241 R26.2@1660,235
  Bottom Layer w10: JP8.2@1656,158.11 R26.2@1656,240.11
NetJP8_3: JP8.3 R29.2 | length 94
  Bottom Layer w10: R29.2@1738,239 1738,184.32 1739.11,183.22 1739.11,160.89 JP8.3@1750,150
NetJP11_1: JP11.1 R32.2 | length 155.2
  Top Layer w7: R32.2@2730.5,814 2734.75,814 2796.75,876 JP11.1@2860,876